# Altium PCB RHD2164 USBC.PcbDoc
Units mm, origin at the board's own origin, x right, y up, seen from the top; angles counter-clockwise.
Board outline 13.97 x 25.53 mm, 6 copper layers (Top Layer, Second Layer, Third Layer, Fourth Layer, Fifth Layer, Bottom Layer), stack 0.816 mm thick; 12 components, 76 nets, 220 pads, 147 vias.
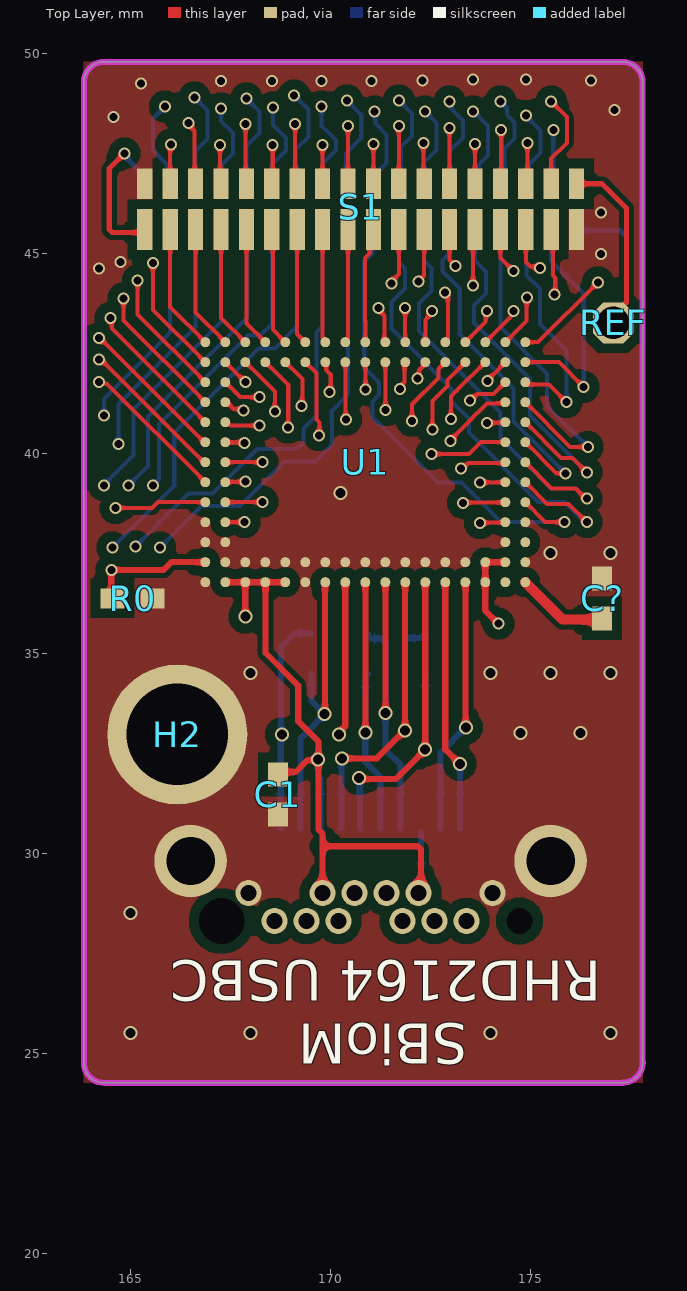
[diagram p0: Top Layer view]
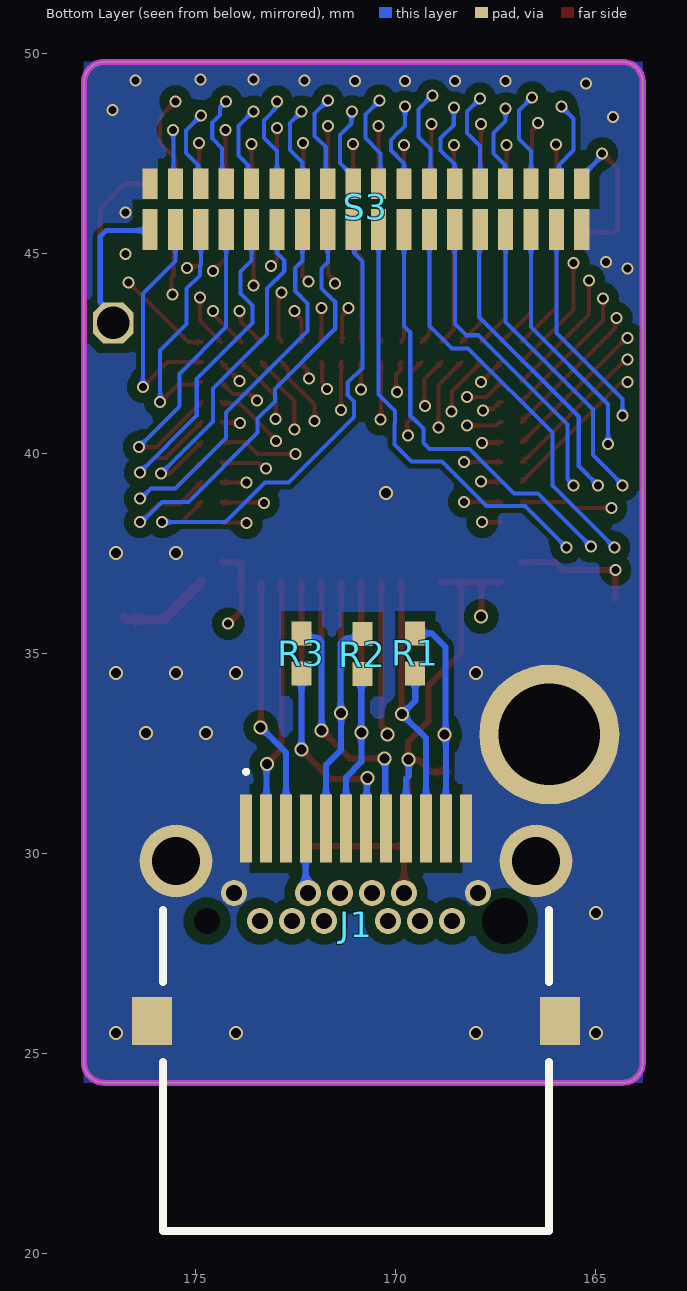
[diagram p1: Bottom Layer view, seen from below]
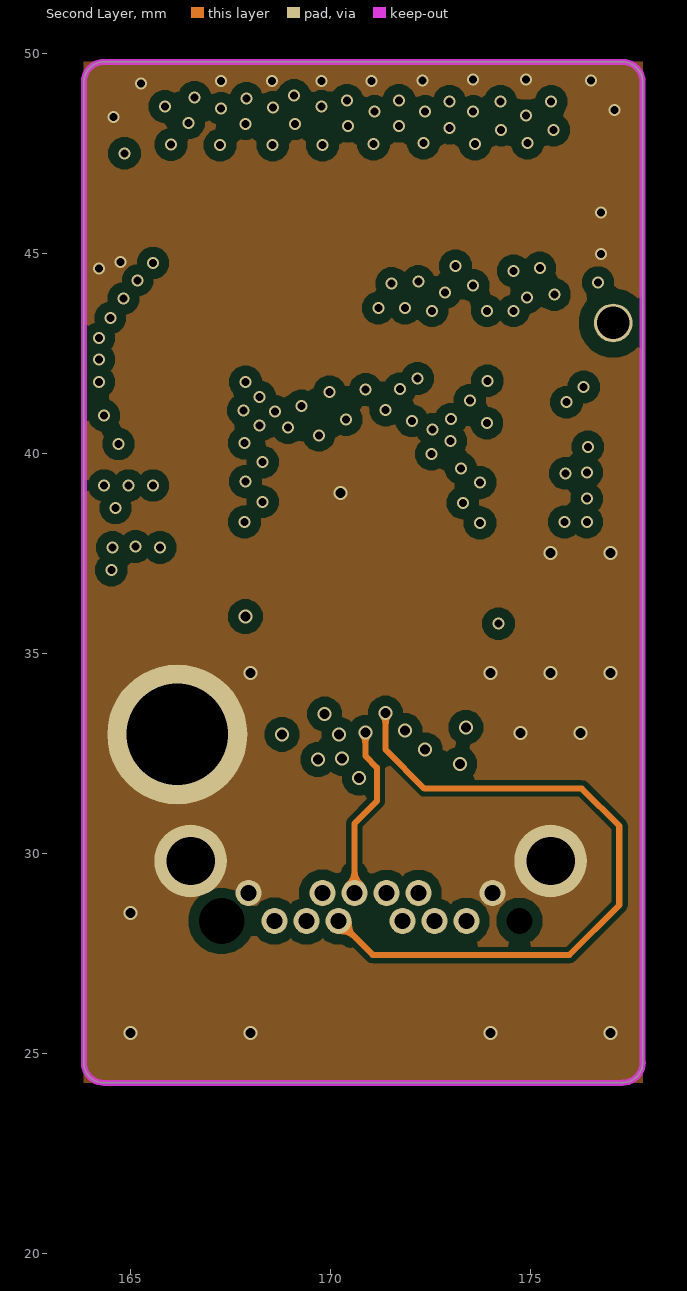
[diagram p2: Second Layer]
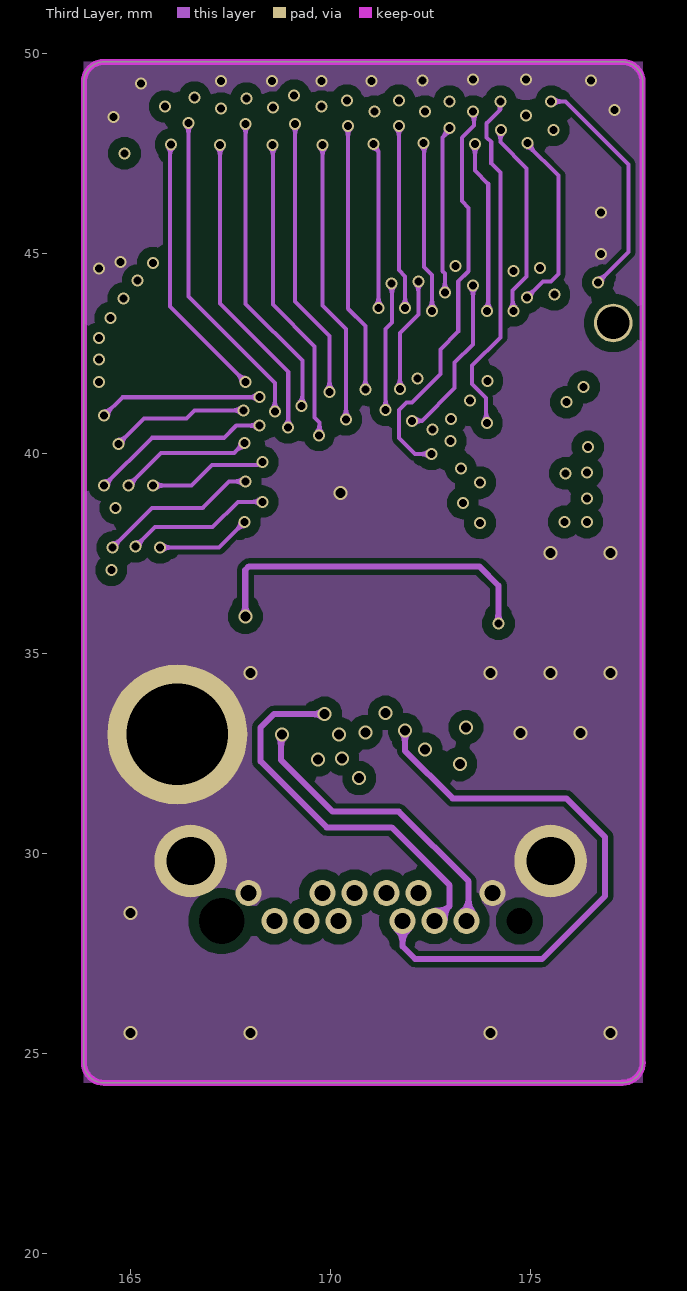
[diagram p3: Third Layer]
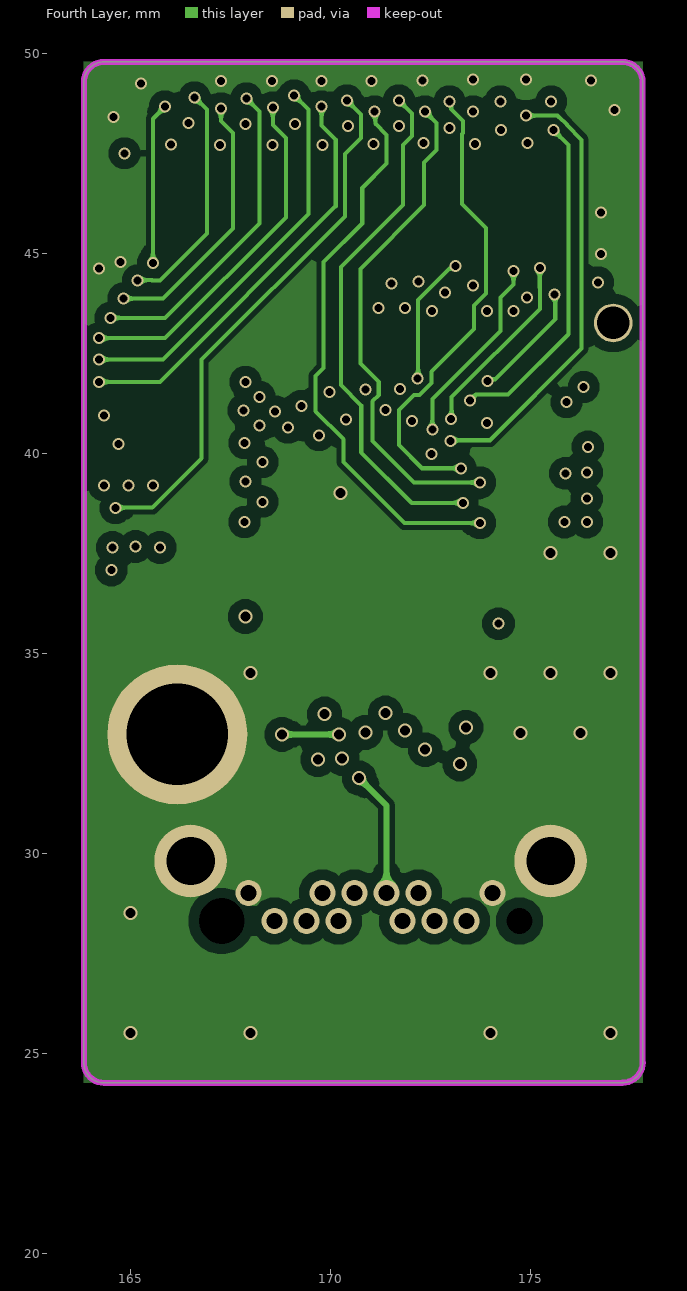
[diagram p4: Fourth Layer]
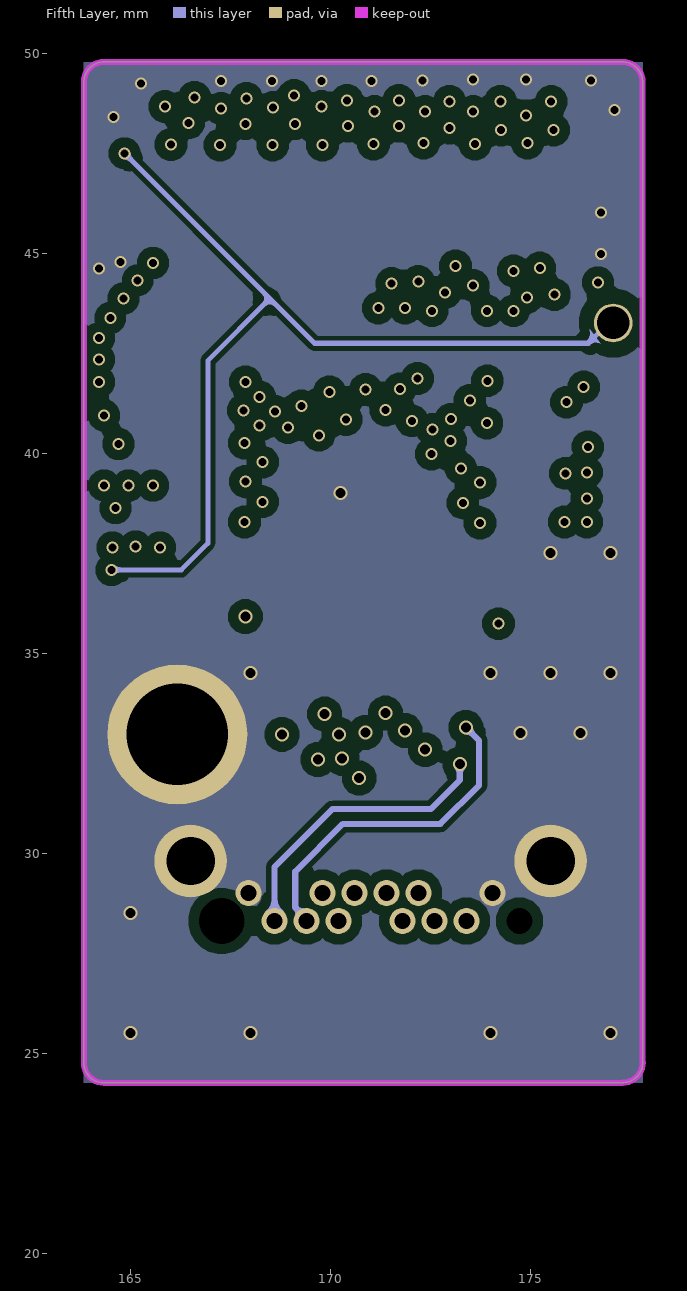
[diagram p5: Fifth Layer]

## Layer stack, top to bottom
Top Solder: solder mask 0.0102, Solder Resist, Dk 3.5
Top Layer: signal copper 0.035
Dielectric 4: prepreg 0.0711, PP-006, Dk 4.1
Second Layer: signal copper 0.035
Dielectric 2: prepreg 0.0711, PP-006, Dk 4.1
Third Layer: signal copper 0.0356
Dielectric 1: dielectric 0.32, FR-4, Dk 4.8
Fourth Layer: signal copper 0.0356
Dielectric 3: prepreg 0.0711, PP-006, Dk 4.1
Fifth Layer: signal copper 0.035
Dielectric 5: prepreg 0.0711, PP-006, Dk 4.1
Bottom Layer: signal copper 0.035
Bottom Solder: solder mask 0.0102, Solder Resist, Dk 3.5

## Board outline
163.83,24.765 163.83,49.276 cw(c164.338,49.276) 164.338,49.784 177.292,49.784 cw(c177.292,49.276) 177.8,49.276 177.8,24.765 177.803,24.77 cw(c177.295,24.77) 177.295,24.262 177.292,24.257 164.338,24.257 cw(c164.338,24.765)

## Design rules (kind name [scope] priority, off if disabled: settings)
Clearance [All] p1: gap=0.254 ignorepadtopadclearanceinfootprint=FALSE except(0: Arc-Hole Track-Hole SMDPad-Hole THPad-Hole Via-Hole Fill-Hole Poly-Hole Region-Hole Text-Hole; 0.127: Arc-Arc Arc-Track Arc-SMDPad Arc-THPad Arc-Via Arc-Fill Arc-Poly Arc-Region Arc-Text Track-Track Track-SMDPad Track-THPad Track-Via Track-Fill Track-Poly Track-Region Track-Text)
PolygonConnect [All] p1: connectstyle=Direct reliefconductorwidth=0.254 reliefentries=4 polygonreliefangle="90 Angle" airgapwidth=0.254
RoutingVias [All] p1: holewidth=0.2 width=0.3 viastyle="Through Hole" minholewidth=0.2 minwidth=0.3 maxholewidth=0.25 maxwidth=0.35
SolderMaskExpansion SolderMaskExpansion_1 [IsVia] p1: expansion=0.102 istentingtop=TRUE
SolderMaskExpansion [All] p2: expansion=0.102 istentingtop=FALSE
Width [All] p1: maxlimit=0.254 minlimit=0.102 preferedwidth=0.127 minimp=50.000000 maximp=50.000000 favimp=50.000000
30 further rules are at their usual default settings.

## Classes and differential pairs
component class "RHD2164 USBC": C1 C? J1 R0 R1 R2 R3 REF S1 S3 U1

## Components (designator, comment, footprint, x,y, rotation, side; value= is the part's Value field where it differs from the comment)
C1 "100n" 0402 168.681,31.471 r270 top
C? "10n" 0402 176.784,36.373 r90 top
H2 "" SCREW_HOLE_2-56 166.167,32.969 r0 top (schematic designator H1)
J1 "UJ32-C-H-G-H2-SMT-TR" UJ32CHGH2SMTTR 170.998,25.556 r180 bottom
R0 "0" 0402 165.049,36.373 r180 top
R1 "Res Semi" 0402 169.518,34.996 r90 bottom value=100
R2 "Res Semi" 0402 170.84,34.976 r90 bottom value=100
R3 "Res Semi" 0402 172.364,34.996 r270 bottom value=100
REF "TESTPOINT_SMALL" TESTPOINT_SMALL 177.063,43.256 r90 top
S1 "" OMNETICS_A79025 170.751,47.752 r0 top
S3 "OMNETICS_A79025" OMNETICS_A79025 170.751,47.752 r180 bottom
U1 "Intan Technologies RHD2164 chip, BGA package (9x7mm 104-pin)" BGA104_9X7 170.866,39.776 r0 top

## Footprints (in the part's own frame and the unit in brackets; to place one, negate y for a bottom-side part, rotate by r counter-clockwise, add the part's x,y. Pads: shape width x height; smd on the part's side, far side on the other; paste and mask are expansions set on the pad)
0402 [mm] "Chip Capacitor, Body 1.0x0.5mm, IPC High Density"
  rect 0.6x0.5 smd: 1(-0.5,0) 2(0.5,0)
  body extent -0.55,-0.3 0.55,0.3, height 1.3
BGA104_9X7 [mm]
  rrect100% 0.25x0.25 smd: A1(-4,3) A2(-3.5,3) A3(-3,3) A4(-2.5,3) A5(-2,3) A6(-1.5,3) A7(-1,3) A8(-0.5,3) A9(0,3) A10(0.5,3) A11(1,3) A12(1.5,3) A13(2,3) A14(2.5,3) A15(3,3) A16(3.5,3) A17(4,3) B1(-4,2.5) B2(-3.5,2.5) B3(-3,2.5) B4(-2.5,2.5) B5(-2,2.5) B6(-1.5,2.5) B7(-1,2.5) B8(-0.5,2.5) B9(0,2.5) B10(0.5,2.5) B11(1,2.5) B12(1.5,2.5) B13(2,2.5) B14(2.5,2.5) B15(3,2.5) B16(3.5,2.5) B17(4,2.5) C1(-4,2) C2(-3.5,2) C16(3.5,2) C17(4,2) D1(-4,1.5) D2(-3.5,1.5) D16(3.5,1.5) D17(4,1.5) E1(-4,1) E2(-3.5,1) E16(3.5,1) E17(4,1) F1(-4,0.5) F2(-3.5,0.5) F16(3.5,0.5) F17(4,0.5) G1(-4,0) G2(-3.5,0) G16(3.5,0) G17(4,0) H1(-4,-0.5) H2(-3.5,-0.5) H16(3.5,-0.5) H17(4,-0.5) J1(-4,-1) J2(-3.5,-1) J16(3.5,-1) J17(4,-1) K1(-4,-1.5) K2(-3.5,-1.5) K16(3.5,-1.5) K17(4,-1.5) L1(-4,-2) L2(-3.5,-2) L16(3.5,-2) L17(4,-2) M1(-4,-2.5) M2(-3.5,-2.5) M3(-3,-2.5) M4(-2.5,-2.5) M5(-2,-2.5) M6(-1.5,-2.5) M7(-1,-2.5) M8(-0.5,-2.5) M9(0,-2.5) M10(0.5,-2.5) M11(1,-2.5) M12(1.5,-2.5) M13(2,-2.5) M14(2.5,-2.5) M15(3,-2.5) M16(3.5,-2.5) M17(4,-2.5) N1(-4,-3) N2(-3.5,-3) N3(-3,-3) N4(-2.5,-3) N5(-2,-3) N6(-1.5,-3) N7(-1,-3) N8(-0.5,-3) N9(0,-3) N10(0.5,-3) N11(1,-3) N12(1.5,-3) N13(2,-3) N14(2.5,-3) N15(3,-3) N16(3.5,-3) N17(4,-3)
OMNETICS_A79025 [mil]
  rect 15x30 smd: B1(-212.5,-40) B2(-187.5,-40) B3(-162.5,-40) B4(-137.5,-40) B5(-112.5,-40) B6(-87.5,-40) B7(-62.5,-40) B8(-37.5,-40) B9(-12.5,-40) B10(12.5,-40) B11(37.5,-40) B12(62.5,-40) B13(87.5,-40) B14(112.5,-40) B15(137.5,-40) B16(162.5,-40) B17(187.5,-40) B18(212.5,-40)
  rect 15x40 smd: T1(-212.5,-85) T2(-187.5,-85) T3(-162.5,-85) T4(-137.5,-85) T5(-112.5,-85) T6(-87.5,-85) T7(-62.5,-85) T8(-37.5,-85) T9(-12.5,-85) T10(12.5,-85) T11(37.5,-85) T12(62.5,-85) T13(87.5,-85) T14(112.5,-85) T15(137.5,-85) T16(162.5,-85) T17(187.5,-85) T18(212.5,-85)
SCREW_HOLE_2-56 [mm] "SCREW_HOLE_2-56"
  round 3.5 hole 2.54: 1(0,0)
TESTPOINT_SMALL [mil]
  oct 40x40 / inner round 38 / far side oct 40x40 hole 32: 1(0,0)
UJ32CHGH2SMTTR [mm]
  rect 0.3x1.7 smd: A1(-2.75,5.06) A2(-2.25,5.06) A3(-1.75,5.06) A4(-1.25,5.06) A5(-0.75,5.06) A6(-0.25,5.06) A7(0.25,5.06) A8(0.75,5.06) A9(1.25,5.06) A10(1.75,5.06) A11(2.25,5.06) A12(2.75,5.06)
  round 0.65 hole 0.4: B1(3.05,3.45) B2(2.4,2.75) B3(1.6,2.75) B4(1.2,3.45) B5(0.8,2.75) B6(0.4,3.45) B7(-0.4,3.45) B8(-0.8,2.75) B9(-1.2,3.45) B10(-1.6,2.75) B11(-2.4,2.75) B12(-3.05,3.45)
  round 1.815 hole 1.21: MH1(-4.5,4.25) MH2(4.5,4.25)
  round 0.325 hole 0.65 unplated: MH3(-3.725,2.75)
  round 0.57 hole 1.14 unplated: MH4(3.725,2.75)
  rect 1x1.2 smd: MP1(-5.1,0.25) MP2(5.1,0.25)
  silkscreen extent -4.82,-5 4.82,6.53

## Part data
C1 C?: library part C_0402, "Capacitor", DeviceName=_0402, DeviceSetName=C, GateName_1=C, LibraryName=RHD2000_eval_board, SymbolName_1=C
H2: library part SCREW_HOLE_2-56, PackageName=SCREW_HOLE_2-56
J1: "USB Connectors Type C USB 3.2 Gen 2x2 20 Gbps 20 Vac 5 A Horizontal Gold Flash Surface Mount", Manufacturer_Name="Same Sky", Mouser Part Number=179-UJ32CHGH2SMTTR, Datasheet Link=https://www.cuidevices.com/product/resource/uj32-c-h-g-h2-smt-tr.pdf, Geometry.Height=3.62mm, Manufacturer_Part_Number=UJ32-C-H-G-H2-SMT-TR, Mouser Price/Stock=https://www.mouser.co.uk/ProductDetail/CUI-Devices/UJ32-C-H-G-H2-SMT-TR?qs=vvQtp7zwQdN9hqweK3Xukg%3D%3D
R0: library part R_0402, "Resistor", DeviceName=_0402, DeviceSetName=R, GateName_1=R, LibraryName=RHD2000_eval_board, SymbolName_1=R
R1 R2 R3: "Semiconductor Resistor", LatestRevisionDate=17-Jul-2002, LatestRevisionNote="Re-released for DXP Platform.", PackageDescription="Axial Device, Thru-Hole; 2 Leads; 0.5 in Pin Spacing", PackageReference=AXIAL-0.5, Published=8-Jun-2000, Publisher="Altium Limited"
REF: "PCB Test Point", DeviceName=_SMALL, DeviceSetName=TESTPOINT, GateName_1=TP$1, LibraryName=RHD2000_eval_board, SymbolName_1=TESTPOINT
S1: library part OMNETICS_A79025, DeviceSetName=OMNETICS_A79025, GateName_1=A, LibraryName=RHD2000, SymbolName_1=OMNETICS_A79025
U1: library part RHD2164_BGA_BGA, Package=BGA104_9X7, DeviceName=_BGA, DeviceSetName=RHD2164_BGA, GateName_1=A, LibraryName=RHD2000, SymbolName_1=RHD2164_BGA
S3: DeviceSetName=OMNETICS_A79025, GateName_1=A, LibraryName=RHD2000, SymbolName_1=OMNETICS_A79025

## Via types
v1: diameter 0.3, hole 0.2, Top Layer to Bottom Layer, tented both sides, 120 vias
v2: diameter 0.35, hole 0.25, Top Layer to Bottom Layer, tented both sides, 27 vias

## Nets (pads, with @x,y where several pads share a name; then routed paths per layer and width w, separated by ;. In a path a pad name is that pad's centre, name@x,y a point inside that pad or via, vN(x,y) a via of type N, cw(c..) or ccw(c..) an arc to the next point about the centre after c; other vN are vias at no path point)
GND: C1.2 C?.2 H2.1 J1.A1 J1.A12 J1.B1 J1.B12 J1.MH1 J1.MH2 J1.MP1 J1.MP2 R0.1 S1.B1 S1.T18 S3.B1 S3.T18 U1.K1 U1.K17 U1.L1 U1.L2 U1.L16 U1.M2 U1.M3 U1.M4 U1.M5 U1.M6 U1.M7 U1.M8 U1.M9 U1.M10 U1.M11 U1.M12 U1.M13 U1.M14 U1.M17 U1.N1 U1.N6
  other v1: 164.213,44.622 164.746,44.774 176.759,44.983 176.761,46.019 164.569,48.406 177.091,48.584 165.254,49.245 167.259,49.301 168.529,49.301 169.774,49.301 171.018,49.301 172.29,49.321 176.507,49.321 173.56,49.346 174.881,49.346
  other v2: 165,25.5 168,25.5 174,25.5 177,25.5 165,28.5 174.75,33 176.25,33 168,34.5 174,34.5 175.5,34.5 177,34.5 175.5,37.5 177,37.5 170.25,39
NetC?_1: C?.1 U1.N17 | length 2.3
  Top Layer w0.254: U1.N17 175.803,35.839 176.751,35.839 C?.1
NetS1_B2: S1.B2 U1.B2 | length 8.4
  Top Layer w0.102: S1.B2 165.989,47.701 v1(166.005,47.717) ; U1.B2 167.37,42.277 167.864,41.783 v1(167.869,41.783)
  Third Layer w0.102: v1(166.005,47.717) 165.989,47.701 165.989,43.663 v1(167.869,41.783)
NetS1_B3: S1.B3 U1.B3 | length 11.2
  Top Layer w0.102: v1(166.446,48.26) 166.446,48.206 166.599,48.054 166.599,46.761 S1.B3 ; U1.B3 168.605,41.537 v1(168.605,41.046)
  Third Layer w0.102: v1(166.446,48.26) 166.446,43.917 168.605,41.758 v1(168.605,41.046)
NetS1_B4: S1.B4 U1.B4 | length 10.6
  Top Layer w0.102: v1(167.234,47.701) 167.234,46.761 S1.B4 ; U1.B4 168.94,41.702 168.94,40.645 v1(168.935,40.64)
  Third Layer w0.102: v1(167.234,47.701) 167.234,43.739 168.94,42.032 168.94,40.645 v1(168.935,40.64)
NetS1_B5: S1.B5 U1.B5 | length 10.4
  Top Layer w0.102: v1(167.873,48.235) 167.873,46.757 S1.B5 ; U1.B5 169.291,41.851 169.291,41.208 v1(169.268,41.185)
  Third Layer w0.102: v1(167.873,48.235) 167.873,43.734 169.291,42.316 169.291,41.208 v1(169.268,41.185)
NetS1_B6: S1.B6 U1.B6 | length 10.7
  Top Layer w0.102: S1.B6 168.552,46.759 v1(168.552,47.701) ; U1.B6 169.643,42 169.643,40.847 169.72,40.769 169.72,40.465 v1(169.705,40.449)
  Third Layer w0.102: v1(168.552,47.701) 168.554,47.699 168.554,43.713 169.596,42.672 169.596,40.894 169.72,40.769 169.72,40.465 v1(169.705,40.449)
NetS1_B7: S1.B7 U1.B7 | length 9.4
  Top Layer w0.102: v1(169.113,48.235) 169.113,46.787 S1.B7 ; U1.B7 169.894,42.248 169.894,42.071 170.002,41.963 170.002,41.561 v1(169.97,41.529)
  Third Layer w0.102: v1(169.113,48.235) 169.113,43.79 169.97,42.932 v1(169.97,41.529)
NetS1_B8: S1.B8 U1.B8 | length 9.5
  Top Layer w0.102: v1(169.796,47.704) 169.796,46.739 S1.B8 ; U1.B8 170.374,42.268 170.374,40.852 v1(170.383,40.843)
  Third Layer w0.102: v1(169.796,47.704) 169.799,47.701 169.799,43.688 170.383,43.104 v1(170.383,40.843)
NetS1_B9: S1.B9 U1.B9 | length 8.9
  Top Layer w0.102: S1.B9 v1(170.434,48.184) ; U1.B9 170.871,42.272 170.871,41.594 v1(170.875,41.589)
  Third Layer w0.102: v1(170.434,48.184) 170.434,43.612 170.866,43.18 170.866,41.599 v1(170.875,41.589)
NetS1_B10: S1.B10 U1.A10 | length 6.1
  Top Layer w0.102: S1.B10 v1(171.069,47.727) ; v1(171.19,43.633) 171.19,43.59 171.344,43.435 171.344,42.798 U1.A10
  Third Layer w0.102: v1(171.069,47.727) 171.069,47.673 171.196,47.545 171.196,43.64 v1(171.19,43.633)
NetS1_B11: S1.B11 U1.A11 | length 6.9
  Top Layer w0.102: S1.B11 v1(171.704,48.184) ; v1(171.861,43.628) 171.864,43.625 171.864,42.778 U1.A11
  Third Layer w0.102: v1(171.704,48.184) 171.704,44.577 171.862,44.419 171.862,43.63 v1(171.861,43.628)
NetS1_B12: S1.B12 U1.A12 | length 6.2
  Top Layer w0.102: v1(172.318,47.752) 172.318,46.757 S1.B12 ; U1.A12 172.366,43.335 172.538,43.507 v1(172.538,43.561)
  Third Layer w0.102: v1(172.318,47.752) 172.339,47.731 172.339,44.653 172.534,44.458 172.534,43.565 v1(172.538,43.561)
NetS1_B13: S1.B13 U1.A13 | length 6.9
  Top Layer w0.102: v1(172.862,44.016) 172.862,43.962 172.934,43.89 172.934,42.885 172.866,42.817 U1.A13 ; S1.B13 v1(172.974,48.133)
  Third Layer w0.102: v1(172.862,44.016) 172.853,44.024 172.853,44.488 172.792,44.549 172.792,47.898 172.974,48.079 v1(172.974,48.133)
NetS1_B14: S1.B14 U1.A14 | length 6.3
  Top Layer w0.102: U1.A14 173.876,43.286 173.876,43.523 v1(173.914,43.561) ; S1.B14 v1(173.609,47.727)
  Third Layer w0.102: v1(173.609,47.727) 173.609,47.066 173.939,46.736 173.939,43.586 v1(173.914,43.561)
NetS1_B15: S1.B15 U1.A15 | length 7.4
  Top Layer w0.102: U1.A15 174.511,43.421 174.511,43.446 174.572,43.507 v1(174.572,43.561) ; S1.B15 174.265,46.757 v1(174.265,48.082)
  Third Layer w0.102: v1(174.265,48.082) 174.244,48.062 174.244,47.777 174.9,47.122 174.9,44.416 174.549,44.065 174.549,43.584 v1(174.572,43.561)
NetS1_B16: S1.B16 U1.A16 | length 7
  Top Layer w0.102: U1.A16@174.374,42.776 174.9,43.302 174.9,43.886 v1(174.904,43.891) ; S1.B16 174.92,46.777 v1(174.92,47.752)
  Third Layer w0.102: v1(174.904,43.891) 175.311,44.298 175.514,44.298 175.692,44.475 175.692,46.939 174.92,47.711 v1(174.92,47.752)
NetS1_B17: S1.B17 U1.A17 | length 10.7
  Top Layer w0.102: U1.A17 175.187,42.776 v1(176.682,44.272) ; S1.B17 175.514,47.371 175.903,47.76 175.903,48.404 v1(175.514,48.793)
  Third Layer w0.102: v1(175.514,48.793) 175.87,48.793 177.444,47.219 177.444,45.034 v1(176.682,44.272)
NetS1_T2: S1.T2 U1.A1 | length 3.2
  Top Layer w0.102: S1.T2 165.989,43.653 U1.A1
NetS1_T3: S1.T3 U1.A2 | length 3.1
  Top Layer w0.102: S1.T3 166.624,43.518 U1.A2
NetS1_T4: S1.T4 U1.A3 | length 3.1
  Top Layer w0.102: S1.T4 167.259,43.383 U1.A3
NetS1_T5: S1.T5 U1.A4 | length 3
  Top Layer w0.102: S1.T5 167.894,43.248 U1.A4
NetS1_T6: S1.T6 U1.A5 | length 3
  Top Layer w0.102: S1.T6 168.554,45.568 168.554,43.088 U1.A5
NetS1_T7: S1.T7 U1.A6 | length 2.9
  Top Layer w0.102: S1.T7 169.164,42.978 U1.A6
NetS1_T8: S1.T8 U1.A7 | length 2.8
  Top Layer w0.102: S1.T8 169.799,42.883 169.866,42.817 U1.A7
NetS1_T9: S1.T9 U1.A8 | length 2.8
  Top Layer w0.102: U1.A8 170.366,42.817 170.434,42.885 S1.T9
NetS1_T10: S1.T10 U1.A9 | length 3
  Top Layer w0.102: U1.A9 170.866,43.305 170.862,43.309 170.862,44.878 170.976,44.992 S1.T10@170.976,45.678
NetS1_T11: S1.T11 U1.B10 | length 5.9
  Top Layer w0.102: U1.B10 171.37,42.273 171.37,41.082 v1(171.377,41.075) ; v1(171.526,44.247) 171.526,44.3 171.704,44.478 S1.T11
  Third Layer w0.102: v1(171.377,41.075) 171.374,41.078 171.374,43.104 171.533,43.263 171.533,44.24 v1(171.526,44.247)
NetS1_T12: S1.T12 U1.B11 | length 5
  Top Layer w0.102: v1(171.729,41.605) 171.729,41.659 171.846,41.776 171.846,42.257 U1.B11 ; v1(172.19,44.297) 172.19,44.3 172.339,44.449 S1.T12
  Third Layer w0.102: v1(171.729,41.605) 171.729,43.002 172.192,43.464 172.192,44.295 v1(172.19,44.297)
NetS1_T13: S1.T13 U1.B12 | length 4.7
  Top Layer w0.102: v1(172.174,41.872) 172.212,41.91 172.212,42.083 172.366,42.236 U1.B12 ; S1.T13 172.974,44.834 173.12,44.688 v1(173.12,44.685)
  Fourth Layer w0.102: v1(172.174,41.872) 172.189,41.886 172.189,43.832 172.969,44.612 172.993,44.612 173.066,44.685 v1(173.12,44.685)
NetS1_T14: S1.T14 U1.B13 | length 7.4
  Top Layer w0.102: v1(172.034,40.81) 172.034,41.224 172.695,41.885 172.695,42.105 U1.B13 ; v1(173.558,44.196) 173.558,45.542 S1.T14
  Third Layer w0.102: v1(172.034,40.81) 172.281,40.81 173.101,41.631 173.101,42.266 173.558,42.723 v1(173.558,44.196)
NetS1_T15: S1.T15 U1.B14 | length 8
  Top Layer w0.102: v1(172.542,40.589) 172.542,41.3 172.923,41.681 172.923,41.834 U1.B14 ; S1.T15 174.244,44.879 v1(174.572,44.552)
  Fourth Layer w0.102: v1(172.542,40.589) 172.542,41.351 174.242,43.051 174.242,43.889 174.572,44.219 v1(174.572,44.552)
NetS1_T16: S1.T16 U1.B15 | length 7.7
  Top Layer w0.102: v1(173.006,40.85) 173.006,41.416 173.152,41.562 U1.B15 ; S1.T16 174.879,44.779 174.992,44.666 175.189,44.666 v1(175.227,44.628)
  Fourth Layer w0.102: v1(173.006,40.85) 173.025,40.869 173.025,41.402 175.232,43.609 175.232,44.143 175.227,44.148 v1(175.227,44.628)
NetS1_T17: S1.T17 U1.B16 | length 5.3
  Top Layer w0.102: v1(173.917,41.812) 173.917,41.82 174.366,42.269 U1.B16 ; S1.T17 175.555,45.552 175.555,44.44 175.616,44.38 175.616,43.99 v1(175.592,43.966)
  Fourth Layer w0.102: v1(173.917,41.812) 173.95,41.844 174.109,41.844 175.616,43.351 175.616,43.942 v1(175.592,43.966)
NetS3_B2: S3.B2 U1.C16 | length 10.9
  Top Layer w0.102: v1(173.478,41.324) 173.508,41.324 173.668,41.484 174.073,41.484 U1.C16
  Fourth Layer w0.102: v1(173.478,41.324) 173.491,41.324 173.636,41.469 174.438,41.469 175.943,42.974 175.943,47.704 175.576,48.071 v1(175.576,48.083)
  Bottom Layer w0.102: S3.B2 175.565,46.787 175.565,48.072 v1(175.576,48.083)
NetS3_B3: S3.B3 U1.D16 | length 14.9
  Top Layer w0.102: v1(172.999,40.31) 172.999,40.335 173.561,40.896 173.561,40.903 173.753,41.095 173.759,41.095 173.912,41.248 174.338,41.248 U1.D16
  Fourth Layer w0.102: v1(172.999,40.31) 173.014,40.324 173.979,40.324 176.276,42.621 176.276,47.835 175.903,48.207 175.903,48.218 175.711,48.41 175.7,48.41 175.673,48.438 v1(174.879,48.438)
  Bottom Layer w0.102: S3.B3 174.946,46.803 174.946,47.21 175.248,47.511 175.248,48.069 v1(174.879,48.438)
NetS3_B4: S3.B4 U1.E16 | length 11.6
  Top Layer w0.102: v1(173.904,40.751) 173.917,40.764 174.353,40.764 U1.E16
  Third Layer w0.102: v1(173.904,40.751) 173.888,40.767 173.888,41.377 173.533,41.732 173.533,42.189 174.242,42.898 174.242,47.018 174.015,47.244 174.015,47.784 173.901,47.898 173.901,48.249 174.233,48.58 174.233,48.782 v1(174.244,48.793)
  Bottom Layer w0.102: S3.B4 174.347,46.839 174.347,47.621 174.592,47.867 174.592,48.264 174.403,48.453 174.403,48.634 v1(174.244,48.793)
NetS3_B5: S3.B5 U1.F16 | length 14.2
  Top Layer w0.102: v1(172.517,39.98) 173.46,39.98 173.756,40.277 U1.F16
  Third Layer w0.102: v1(172.517,39.98) 172.11,39.98 171.706,40.384 171.706,41.081 171.898,41.273 172.039,41.273 172.743,41.977 172.743,42.594 173.19,43.04 173.19,44.291 173.448,44.549 173.448,46.135 173.281,46.301 173.281,47.887 173.584,48.189 173.584,48.529 v1(173.565,48.548)
  Bottom Layer w0.102: v1(173.565,48.548) 173.575,48.548 173.937,48.186 173.937,47.447 173.7,47.21 173.7,46.827 S3.B5
NetS3_B6: S3.B6 U1.G16 | length 15.3
  Top Layer w0.102: v1(173.253,39.624) 173.307,39.624 173.435,39.752 174.341,39.752 U1.G16
  Fourth Layer w0.102: v1(172.974,48.793) 173.012,48.755 173.012,48.603 173.304,48.311 173.304,48.006 173.281,47.983 173.281,46.232 173.886,45.627 173.886,43.997 173.586,43.697 173.586,43.106 172.517,42.037 172.517,41.751 172.219,41.453 172.079,41.453 171.706,41.081 171.706,40.206 172.288,39.624 v1(173.253,39.624)
  Bottom Layer w0.102: S3.B6 172.974,47.555 173.304,47.885 173.304,48.323 172.974,48.654 v1(172.974,48.793)
NetS3_B7: S3.B7 U1.H16 | length 15.2
  Top Layer w0.102: v1(173.736,39.268) 173.74,39.272 174.362,39.272 U1.H16
  Fourth Layer w0.102: v1(172.364,48.539) 172.646,48.258 172.646,47.577 172.339,47.269 172.339,46.203 170.792,44.656 170.741,44.605 170.741,42.238 171.203,41.776 171.203,41.454 171.049,41.3 171.049,40.304 172.085,39.268 v1(173.736,39.268)
  Bottom Layer w0.102: S3.B7 172.339,47.269 172.646,47.577 172.646,48.258 v1(172.364,48.539)
NetS3_B8: S3.B8 U1.J16 | length 16.4
  Top Layer w0.102: v1(173.304,38.76) 173.312,38.768 174.358,38.768 U1.J16
  Fourth Layer w0.102: v1(171.704,48.819) 172.032,48.491 172.032,47.929 171.806,47.703 171.806,46.203 170.256,44.653 170.256,41.7 170.764,41.192 170.764,40.023 172.027,38.76 v1(173.304,38.76)
  Bottom Layer w0.102: S3.B8 171.755,46.787 171.755,47.652 172.034,47.931 172.034,48.489 v1(171.704,48.819)
NetS3_B9: S3.B9 U1.K16 | length 16.7
  Top Layer w0.102: v1(173.736,38.252) 173.748,38.264 174.354,38.264 U1.K16
  Fourth Layer w0.102: v1(171.094,48.539) 171.117,48.516 171.117,48.237 171.397,47.958 171.397,47.242 170.79,46.634 170.79,45.745 169.824,44.78 169.824,42.132 169.619,41.927 169.619,41.049 170.318,40.35 170.318,39.784 171.849,38.252 v1(173.736,38.252)
  Bottom Layer w0.102: S3.B9 171.069,46.926 171.397,47.254 171.397,47.958 171.117,48.237 171.117,48.516 v1(171.094,48.539)
NetS3_B10: S3.B10 U1.J1 | length 18.1
  Top Layer w0.102: v1(164.617,38.633) 165.535,38.633 165.678,38.776 U1.J1
  Fourth Layer w0.102: v1(164.617,38.633) 164.623,38.639 165.54,38.639 165.688,38.786 166.776,39.874 166.776,42.341 170.355,45.921 170.355,47.477 170.762,47.883 170.762,48.466 v1(170.409,48.819)
  Bottom Layer w0.102: v1(170.409,48.819) 170.764,48.463 170.764,47.879 170.383,47.498 170.383,46.787 S3.B10
NetS3_B11: S3.B11 U1.H1 | length 16.3
  Top Layer w0.102: v1(164.211,41.783) 164.249,41.745 164.397,41.745 U1.H1
  Fourth Layer w0.102: v1(164.211,41.783) 165.735,41.783 170.127,46.175 170.127,47.837 169.774,48.19 v1(169.774,48.666)
  Bottom Layer w0.102: v1(169.774,48.666) 169.774,48.184 169.928,48.029 169.935,48.029 170.129,47.835 170.129,47.574 169.799,47.244 S3.B11
NetS3_B12: S3.B12 U1.G1 | length 16.1
  Top Layer w0.102: v1(164.211,42.342) 164.26,42.342 166.826,39.776 U1.G1
  Fourth Layer w0.102: v1(164.211,42.342) 165.804,42.342 169.441,45.979 169.441,48.593 v1(169.088,48.946)
  Bottom Layer w0.102: v1(169.088,48.946) 169.441,48.593 169.441,47.902 169.139,47.6 169.139,46.761 S3.B12
NetS3_B13: S3.B13 U1.F1 | length 14.7
  Top Layer w0.102: v1(164.211,42.875) 164.239,42.875 166.838,40.277 U1.F1
  Fourth Layer w0.102: v1(164.211,42.875) 165.862,42.875 168.885,45.898 168.885,47.879 168.554,48.209 v1(168.554,48.641)
  Bottom Layer w0.102: S3.B13 168.529,47.215 168.885,47.57 168.885,47.879 168.554,48.209 v1(168.554,48.641)
NetS3_B14: S3.B14 U1.E1 | length 14
  Top Layer w0.102: v1(164.49,43.383) 164.528,43.345 164.528,43.114 U1.E1
  Fourth Layer w0.102: v1(164.49,43.383) 165.862,43.383 168.224,45.745 168.224,48.539 v1(167.894,48.87)
  Bottom Layer w0.102: S3.B14 167.894,47.676 168.222,48.004 168.222,48.542 v1(167.894,48.87)
NetS3_B15: S3.B15 U1.D1 | length 12.2
  Top Layer w0.102: v1(164.821,43.866) 164.821,43.322 U1.D1
  Fourth Layer w0.102: v1(164.821,43.866) 165.804,43.866 167.561,45.623 167.561,48.008 167.259,48.311 v1(167.259,48.616)
  Bottom Layer w0.102: S3.B15 167.276,46.753 167.276,47.21 167.564,47.498 167.564,48.006 167.259,48.311 v1(167.259,48.616)
NetS3_B16: S3.B16 U1.C1 | length 11.4
  Top Layer w0.102: v1(165.176,44.323) 165.176,43.466 U1.C1
  Fourth Layer w0.102: v1(165.176,44.323) 165.179,44.326 165.529,44.326 165.532,44.323 165.735,44.323 166.906,45.494 166.906,48.588 v1(166.599,48.895)
  Bottom Layer w0.102: v1(166.599,48.895) 166.926,48.567 166.926,47.858 166.624,47.555 S3.B16
NetS3_B17: S3.B17 U1.B1 | length 9.3
  Top Layer w0.102: v1(165.557,44.752) 165.557,43.585 U1.B1
  Fourth Layer w0.102: v1(165.557,44.752) 165.557,48.362 v1(165.862,48.666)
  Bottom Layer w0.102: v1(165.862,48.666) 165.557,48.362 165.557,47.574 165.922,47.21 165.922,46.803 S3.B17
NetS3_T2: S3.T2 U1.B17 | length 6
  Top Layer w0.102: U1.B17 175.706,42.277 v1(176.327,41.656)
  Bottom Layer w0.102: S3.T2 175.514,44.805 176.327,43.992 v1(176.327,41.656)
NetS3_T3: S3.T3 U1.C17 | length 6
  Top Layer w0.102: U1.C17 174.906,41.776 174.965,41.717 175.453,41.717 v1(175.895,41.275)
  Bottom Layer w0.102: S3.T3 174.879,44.708 174.9,44.687 174.9,44.448 175.232,44.116 175.232,43.233 175.895,42.57 v1(175.895,41.275)
NetS3_T4: S3.T4 U1.D17 | length 8.4
  Top Layer w0.102: U1.D17 175.985,40.157 v1(176.428,40.157)
  Bottom Layer w0.102: S3.T4 174.244,43.155 175.412,41.986 175.412,41.173 v1(176.428,40.157)
NetS3_T5: S3.T5 U1.E17 | length 9.5
  Top Layer w0.102: U1.E17 175.764,39.878 176.047,39.878 v1(176.403,39.522)
  Bottom Layer w0.102: S3.T5 173.609,44.814 173.886,44.537 173.886,43.997 173.586,43.697 173.586,43.254 174.981,41.859 174.981,40.945 v1(176.403,39.522)
NetS3_T6: S3.T6 U1.F17 | length 8.8
  Top Layer w0.102: U1.F17 175.645,39.497 v1(175.87,39.497)
  Bottom Layer w0.102: S3.T6 172.974,45.003 172.792,44.821 172.792,44.549 173.228,44.113 173.228,42.964 174.053,42.139 174.574,41.618 174.574,40.792 v1(175.87,39.497)
NetS3_T7: S3.T7 U1.G17 | length 11
  Top Layer w0.102: U1.G17 175.526,39.116 176.127,39.116 176.381,38.862 v1(176.403,38.862)
  Bottom Layer w0.102: S3.T7 172.339,44.812 172.518,44.633 172.518,44.053 172.21,43.746 172.21,43.055 174.244,41.021 174.244,40.386 175.514,39.116 176.119,39.116 176.373,38.862 v1(176.403,38.862)
NetS3_T8: S3.T8 U1.H17 | length 11.9
  Top Layer w0.102: U1.H17 175.407,38.735 175.946,38.735 v1(176.403,38.278)
  Bottom Layer w0.102: S3.T8 171.704,44.78 171.862,44.622 171.862,44.119 171.662,43.919 171.656,43.919 171.518,43.781 171.518,43.112 173.025,41.605 173.025,41.294 173.457,40.862 173.457,40.513 175.187,38.783 175.847,38.783 176.352,38.278 v1(176.403,38.278)
NetS3_T9: S3.T9 U1.J17 | length 12.1
  Top Layer w0.102: U1.J17 175.364,38.278 v1(175.844,38.278)
  Bottom Layer w0.102: S3.T9 171.041,45.565 171.041,44.992 170.84,44.792 170.84,42.132 171.206,41.767 171.206,41.452 171.049,41.296 171.049,40.907 172.688,39.268 173.272,39.268 174.263,38.278 v1(175.844,38.278)
NetS3_T10: S3.T10 U1.K2 | length 13.8
  Top Layer w0.102: U1.K2@167.366,38.277 v1(167.843,38.278)
  Third Layer w0.102: v1(165.735,37.643) 167.208,37.643 v1(167.843,38.278)
  Bottom Layer w0.102: v1(165.735,37.643) 166.776,38.684 167.735,38.684 168.848,39.797 169.617,39.797 170.032,40.213 170.032,40.728 170.028,40.733 170.028,41.057 170.434,41.463 S3.T10
NetS3_T11: S3.T11 U1.J2 | length 15.4
  Top Layer w0.102: U1.J2 167.37,38.781 168.296,38.781 v1(168.3,38.786)
  Third Layer w0.102: v1(165.125,37.668) 165.608,38.151 167.049,38.151 167.684,38.786 v1(168.3,38.786)
  Bottom Layer w0.102: v1(165.125,37.668) 166.446,38.989 167.049,38.989 168.165,40.104 169.162,40.104 169.316,40.259 169.316,40.615 169.643,40.941 169.643,43.024 169.799,43.18 S3.T11
NetS3_T12: S3.T12 U1.H2 | length 14.6
  Top Layer w0.102: U1.H2 167.374,39.285 167.86,39.285 v1(167.869,39.294)
  Third Layer w0.102: v1@164.545,37.646 165.532,38.633 166.802,38.633 167.462,39.294 v1(167.869,39.294)
  Bottom Layer w0.102: v1(164.541,37.643) 166.091,39.192 166.091,40.513 168.198,42.621 168.605,42.621 169.164,43.18 S3.T12
NetS3_T13: S3.T13 U1.G2 | length 11.7
  Top Layer w0.102: U1.G2 v1(168.3,39.776)
  Third Layer w0.102: v1(165.557,39.192) 166.522,39.192 167.03,39.7 168.171,39.7 168.247,39.776 v1(168.3,39.776)
  Bottom Layer w0.102: v1(165.557,39.192) 165.557,39.199 165.71,39.351 165.71,40.716 167.943,42.95 168.248,42.95 168.529,43.231 S3.T13
NetS3_T14: S3.T14 U1.F2 | length 11.5
  Top Layer w0.102: U1.F2 167.374,40.268 167.834,40.268 v1(167.843,40.259)
  Third Layer w0.102: v1(164.948,39.192) 165.76,40.005 167.589,40.005 v1(167.843,40.259)
  Bottom Layer w0.102: v1(164.948,39.192) 165.43,39.675 165.43,40.919 167.919,43.409 167.919,45.568 S3.T14
NetS3_T15: S3.T15 U1.E2 | length 13
  Top Layer w0.102: U1.E2 167.406,40.776 167.491,40.691 v1(168.224,40.691)
  Third Layer w0.102: v1(164.338,39.192) 165.532,40.386 167.335,40.386 167.64,40.691 v1(168.224,40.691)
  Bottom Layer w0.102: v1(164.338,39.192) 164.338,39.213 165.075,39.95 165.075,41.097 167.259,43.282 S3.T15
NetS3_T16: S3.T16 U1.D2 | length 10.2
  Top Layer w0.102: U1.D2 167.406,41.277 167.573,41.11 167.78,41.11 v1(167.818,41.072)
  Third Layer w0.102: v1(164.694,40.234) 165.329,40.869 166.395,40.869 166.599,41.072 v1(167.818,41.072)
  Bottom Layer w0.102: v1(164.694,40.234) 164.694,41.224 166.624,43.155 S3.T16
NetS3_T17: S3.T17 U1.C2 | length 10.4
  Top Layer w0.102: U1.C2 167.74,41.402 v1(168.224,41.402)
  Third Layer w0.102: v1(164.338,40.945) 164.792,41.399 167.408,41.399 ; 167.409,41.4 168.222,41.4 v1(168.224,41.402)
  Bottom Layer w0.102: v1(164.338,40.945) 164.338,41.351 165.989,43.002 S3.T17
REF: R0.2 REF.1 S1.B18 S1.T1 S3.B18 S3.T1 U1.M1 | length 39.1
  Top Layer w0.127: v1(164.846,47.498) 164.465,47.117 164.465,45.591 164.539,45.517 165.278,45.517 S1.T1 ; S1.B18 176.784,46.736 177.394,46.126 177.394,43.775 177.063,43.445 REF.1
  Top Layer w0.152: v1(164.516,37.084) 164.516,36.406 R0.2 ; v1@164.549,37.051 164.583,37.084 165.826,37.084 166.018,37.276 U1.M1
  Fifth Layer w0.127: v1(164.516,37.084) 166.267,37.084 166.929,37.746 166.929,42.315 168.479,43.865 ; v1(164.846,47.498) 168.479,43.865 ; REF.1 176.947,43.256 176.439,42.748 169.596,42.748 168.479,43.865
  Bottom Layer w0.127: v1(164.846,47.498) 164.879,47.465 164.879,47.401 165.354,46.926 S3.B18 ; S3.T1 176.174,45.568 177.241,45.568 177.394,45.415 177.394,43.775 177.063,43.445 REF.1
RHD2216_CSN_+: J1.A11 J1.B11 R1.2 U1.N8 | length 18.3
  Top Layer w0.152: v2(170.205,32.969) 170.205,33.023 170.366,33.183 U1.N8
  Third Layer w0.152: v2(168.783,32.969) 168.758,32.944 168.758,32.334 170.053,31.039 171.704,31.039 173.448,29.295 173.448,28.356 J1.B11
  Fourth Layer w0.152: v2(168.783,32.969) v2(170.205,32.969)
  Bottom Layer w0.152: J1.A11 168.753,30.621 168.753,32.939 v2(168.783,32.969) ; v2@168.758,32.995 168.758,35.154 169.1,35.496 R1.2
RHD2216_CSN_-: J1.A10 J1.B10 R1.1 U1.N7 | length 17.2
  Top Layer w0.152: v2(169.85,33.477) 169.858,33.485 169.858,36.768 U1.N7
  Third Layer w0.152: v2(169.85,33.477) 168.58,33.477 168.25,33.147 168.25,32.295 169.899,30.646 171.525,30.646 172.974,29.197 172.974,28.682 J1.B10
  Bottom Layer w0.152: J1.A10 169.248,32.876 v2(169.85,33.477) 169.518,33.809 R1.1
RHD2216_MISO_+: J1.A3 J1.B3 U1.N14 | length 14.9
  Top Layer w0.152: U1.N14 173.373,36.769 173.373,33.154 v2(173.38,33.147)
  Fifth Layer w0.152: J1.B3 169.398,28.361 169.114,28.644 169.114,29.541 170.307,30.734 172.745,30.734 173.711,31.699 173.711,32.817 v2(173.38,33.147)
  Bottom Layer w0.152: J1.A3 172.748,32.515 v2(173.38,33.147)
RHD2216_MISO_-: J1.A2 J1.B2 U1.N13 | length 13.6
  Top Layer w0.152: U1.N13 172.866,32.595 v2(173.228,32.233)
  Fifth Layer w0.152: J1.B2 168.598,29.66 170.048,31.11 172.512,31.11 173.228,31.826 v2(173.228,32.233)
  Bottom Layer w0.152: v2(173.228,32.233) 173.238,32.223 173.238,30.627 J1.A2
RHD2216_MOSI_+: J1.A7 J1.B7 R3.2 U1.N12 | length 12.5
  Top Layer w0.152: v2(170.713,31.877) 170.739,31.852 171.628,31.852 v2(172.364,32.588) U1.N12@172.365,36.776
  Fourth Layer w0.152: v2(170.713,31.877) 171.398,31.192 J1.B7
  Bottom Layer w0.152: v2(170.713,31.877) 170.731,31.86 170.731,30.634 J1.A7 ; v2(172.364,32.588) R3.2
RHD2216_MOSI_-: J1.A8 J1.B8 R3.1 U1.N11 | length 24.5
  Top Layer w0.152: v2(170.287,32.371) 171.156,32.371 v2(171.856,33.071) ; v2@171.861,33.075 171.861,36.772 U1.N11
  Third Layer w0.152: J1.B8 171.798,27.668 172.11,27.356 175.285,27.356 176.86,28.931 176.86,30.404 175.895,31.369 173.049,31.369 171.856,32.561 v2(171.856,33.071)
  Bottom Layer w0.152: J1.A8 170.268,30.636 170.268,32.351 v2(170.287,32.371) ; v2(171.856,33.071) 171.856,35.293 171.946,35.382 172.25,35.382 R3.1
RHD2216_SCLK_+: J1.A5 J1.B5 R2.2 U1.N10 | length 26.1
  Top Layer w0.152: U1.N10 171.37,36.772 v2(171.37,33.503)
  Second Layer w0.152: J1.B5 171.047,27.457 175.971,27.457 177.216,28.702 177.216,30.683 176.282,31.617 172.345,31.617 171.374,32.588 171.374,33.499 v2(171.37,33.503)
  Bottom Layer w0.152: R2.2@170.932,35.484 170.932,35.451 171.014,35.369 171.26,35.369 171.386,35.243 171.386,33.518 v2(171.37,33.503) 171.37,32.592 171.748,32.214 J1.A5
RHD2216_SCLK_-: J1.A6 J1.B6 R2.1 U1.N9 | length 12.2
  Top Layer w0.152: v2@170.867,33.02 U1.N9
  Second Layer w0.152: J1.B6 170.598,30.746 171.157,31.304 171.157,32.142 170.867,32.432 v2(170.867,33.019)
  Bottom Layer w0.152: R2.1@170.932,34.484 170.867,34.419 v2(170.867,33.019) 170.866,33.018 170.866,32.282 171.248,31.899 J1.A6
VCC: C1.1 J1.A4 J1.A9 J1.B4 J1.B9 U1.M15 U1.M16 U1.N2 U1.N3 U1.N4 U1.N5 U1.N15 | length 29.7
  Top Layer w0.152: U1.N2 U1.N3 ; v2(167.869,35.916) 167.866,35.918 U1.N3 ; C1.1@168.69,32.029 169.121,32.029 169.414,32.322 169.66,32.322 v2@169.697,32.36 ; C1.1@168.808,32.047 168.808,32.097 C1.1@168.817,32.106 ; U1.N5 U1.N4 ; J1.B4 169.798,30.175 ; J1.B9 172.263,29.071 172.263,30.086 172.174,30.175 169.798,30.175 ; U1.M15@173.862,37.28 U1.M15 ; v1(174.193,35.738) 173.866,36.065 U1.N15 U1.M15 ; U1.M16 U1.M15 ; U1.N3 U1.N4 ; U1.N4 168.371,36.771 168.371,35.007 169.189,34.188 169.189,33.299 169.697,32.791 v2@169.697,32.36 ; v2@169.697,32.36 169.697,30.59 169.798,30.489 169.798,30.175
  Third Layer w0.152: v2(167.869,35.916) 167.866,35.918 167.866,37.08 167.955,37.17 173.717,37.17 174.193,36.693 v1(174.193,35.738)
  Bottom Layer w0.152: v2(169.681,32.344) 169.681,31.931 169.748,31.864 J1.A9 ; J1.B9@172.259,28.96 J1.A4@172.259,30.52
pads on no net: J1.MH3 J1.MH4 U1.L17 U1.N16

## Polygon pours and split planes (outlines as drawn)
GND on Fourth Layer "NONET_L-01_P-001" (solid, remove dead copper, pour order 4): 163.83,49.784 177.8,49.784 177.8,24.257 163.83,24.257
GND on Bottom Layer "NONET_L-01_P-001" (solid, remove dead copper, pour order 5): 163.83,49.784 177.8,49.784 177.8,24.257 163.83,24.257
GND on Third Layer "NONET_L-01_P-001" (solid, remove dead copper, pour order 6): 163.83,49.784 177.8,49.784 177.8,24.257 163.83,24.257
GND on Second Layer "NONET_L-01_P-001" (solid, remove dead copper, pour order 7): 163.83,49.784 177.8,49.784 177.8,24.257 163.83,24.257
GND on Top Layer "NONET_L-01_P-001" (solid, remove dead copper, pour order 8): 163.83,49.784 177.8,49.784 177.8,24.257 163.83,24.257
GND on Fifth Layer "NONET_L-01_P-001" (solid, remove dead copper, pour order 9): 163.83,49.776 177.8,49.776 177.8,24.257 163.83,24.257

## Keep-outs
Keep-Out Layer:
  lines w0.152: 177.292,24.257 164.338,24.257 cw(c164.338,24.765) 163.83,24.765 163.83,49.276 ; 177.295,24.262 ccw(c177.295,24.77) 177.803,24.77 ; 177.8,24.765 177.8,49.276 ccw(c177.292,49.276) 177.292,49.784 164.338,49.784 ccw(c164.338,49.276) 163.83,49.276 ; 163.83,49.276 163.83,49.276

## Silkscreen, mask and mechanical layers (free items; w line width, h text height)
Top Overlay:
  text "RHD2164 USBC" at 176.766,27.308 h1 r180
  text "SBioM" at 173.42,25.733 h1 r180